# Allegro board Chronos.brd (continued)
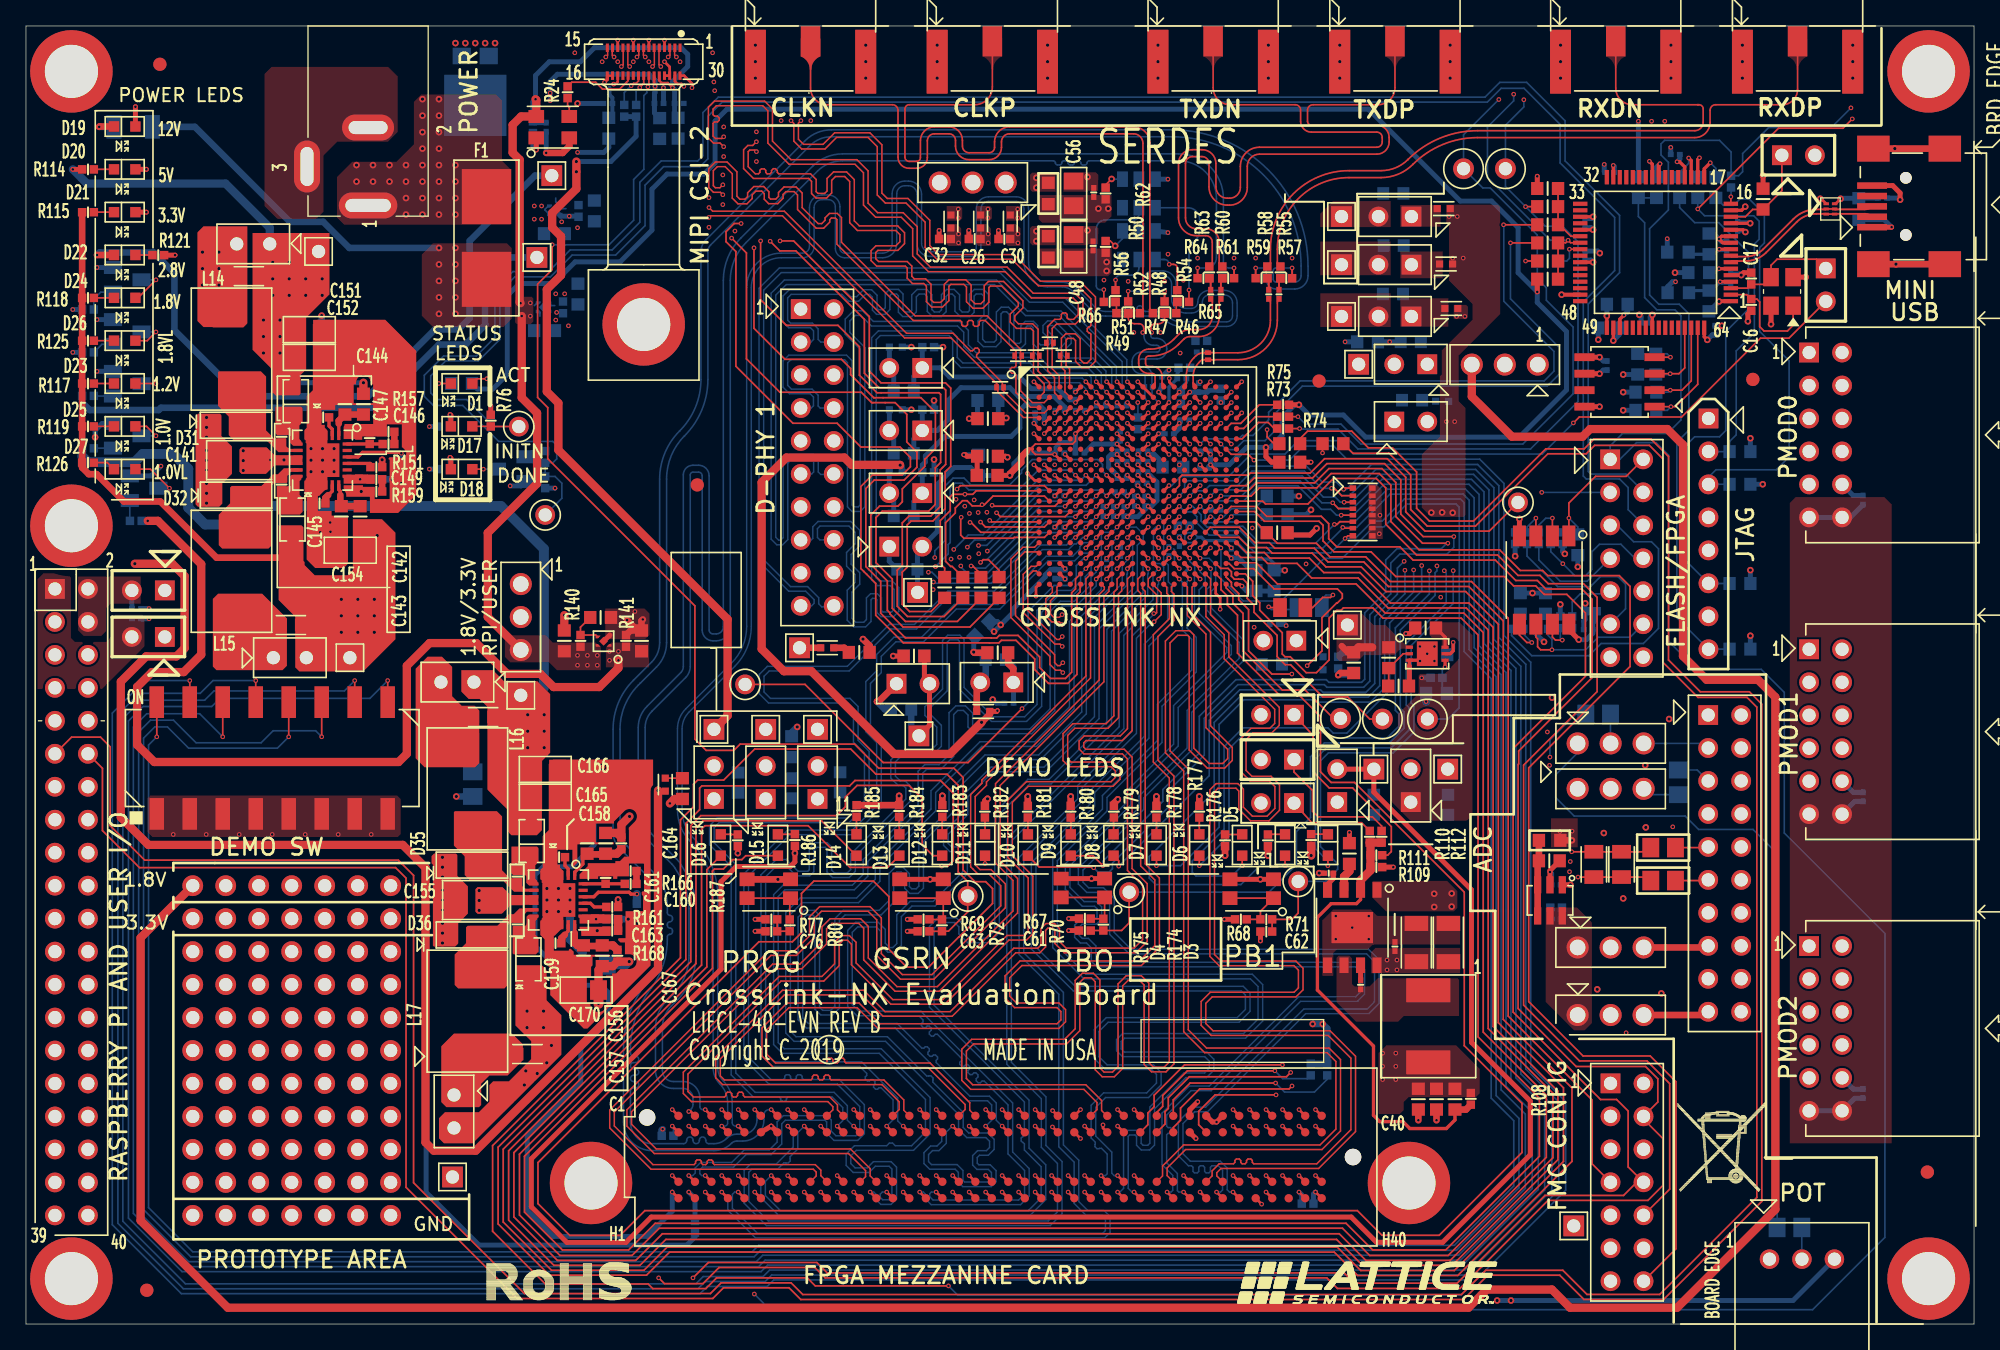
[diagram p0: board, top side]
## Placement (name value [footprint] x y rotation side) (continued)
NOREF  -  []  84.87 78.78 0 top
NOREF#2  -  [unnamed#2]  106.49 10.87 0 top
NOREF#3  -  []  76.68 74.6 0 top
NOREF#4  -  []  122.41 98.82 0 top
NOREF#5  -  []  91.11 81.47 0 top
NOREF#6  -  []  86.77 77.88 0 top
NOREF#7  -  []  91.22 79.67 90 top
NOREF#8  -  [unnamed#2]  3.5 96.5 0 top
NOREF#9  -  [unnamed#3]  10.31 97.05 0 top
NOREF#10  -  [unnamed#3]  9.3 2.6 0 top
NOREF#11  -  []  91.11 80.57 0 top
NOREF#12  -  []  91.41 98.82 0 top
NOREF#13  -  []  76.13 74.6 0 top
NOREF#14  -  [unnamed#3]  132.97 72.77 0 top
NOREF#15  -  [unnamed#3]  51.69 64.64 0 top
NOREF#16  -  []  95.69 79.67 90 top
NOREF#17  -  []  83.9 78.74 0 top
NOREF#18  -  []  150 0 90 top
NOREF#19  -  []  96.59 81.47 0 top
NOREF#20  -  []  91.22 78.97 90 top
NOREF#21  -  []  92.12 80.57 0 top
NOREF#22  -  [unnamed#3]  99.57 72.64 0 top
NOREF#23  -  []  45.17 98.32 0 top
NOREF#24  -  []  3.5 96.5 90 top
NOREF#25  -  []  79.63 74.6 0 top
NOREF#26  -  []  48.76 98.32 0 top
NOREF#27  -  []  146.5 3.5 90 top
NOREF#28  -  []  74.41 98.82 0 top
NOREF#29  -  []  87.67 78.78 0 top
NOREF#30  -  []  88.65 78.74 0 top
NOREF#31  -  []  136.41 98.82 0 top
NOREF#32  -  []  46.37 98.32 0 top
NOREF#33  -  []  45.97 98.32 0 top
NOREF#34  -  []  91.02 74.28 90 top
NOREF#35  -  []  94.69 80.57 0 top
NOREF#36  -  []  92.01 79.67 90 top
NOREF#37  -  []  96.59 80.57 0 top
NOREF#38  -  [unnamed#2]  3.5 61.5 0 top
NOREF#39  -  []  89.55 78.74 0 top
NOREF#40  -  []  83 78.74 0 top
NOREF#41  -  []  78.57 75.59 0 top
NOREF#42  -  []  95.59 80.57 0 top
NOREF#43  -  []  90.21 80.57 0 top
NOREF#44  -  []  60.41 98.82 0 top
NOREF#45  -  [unnamed#2]  146.5 96.5 0 top
NOREF#46  -  []  77.48 74.6 0 top
NOREF#47  -  []  88.57 77.88 0 top
NOREF#48  -  []  84.87 77.88 0 top
NOREF#49  -  []  48.37 98.32 0 top
NOREF#50  -  []  95.59 81.47 0 top
NOREF#51  -  []  83.97 77.88 0 top
NOREF#52  -  []  88.65 79.64 0 top
NOREF#53  -  []  79.12 75.59 0 top
NOREF#54  -  []  75.28 72.16 0 top
NOREF#55  -  []  78.03 74.6 0 top
NOREF#56  -  []  0 99.82 0 top
NOREF#57  -  []  96.48 78.97 90 top
NOREF#58  -  [unnamed#2]  3.5 3.5 0 top
NOREF#59  -  [unnamed#3]  146.41 11.71 0 top
NOREF#60  -  []  87.67 77.88 0 top
NOREF#61  -  []  96.48 79.67 90 top
NOREF#62  -  []  47.17 98.32 0 top
NOREF#63  -  []  47.57 98.32 0 top
NOREF#64  -  []  80.18 74.6 0 top
NOREF#65  -  []  0 0 90 top
NOREF#66  -  []  97.49 80.57 0 top
NOREF#67  -  []  92.01 78.97 90 top
NOREF#68  -  []  105.41 98.82 0 top
NOREF#69  -  []  93.02 80.57 0 top
NOREF#70  -  []  44.76 98.32 0 top
NOREF#71  -  []  85.77 77.88 0 top
NOREF#72  -  []  74.73 72.16 0 top
NOREF#73  -  []  49.97 98.32 0 top
NOREF#74  -  []  0 100 0 top
NOREF#75  -  []  91.02 74.83 90 top
NOREF#76  -  [unnamed#2]  43.51 10.87 0 top
NOREF#77  -  []  95.69 78.97 90 top
NOREF#78  -  []  49.57 98.32 0 top
NOREF#79  -  []  83.9 79.64 0 top
NOREF#80  -  [unnamed#2]  47.57 77.01 0 top
NOREF#81  -  [unnamed#2]  146.5 3.5 0 top
NOREF#82  -  []  92.12 81.47 0 top
NOREF#83  -  []  3.5 3.5 0 top
NOREF#84  -  []  3.5 3.5 0 top
NOREF#85  -  [unnamed#3]  9.3 2.6 180 bottom
NOREF#86  -  [unnamed#3]  146.41 11.71 180 bottom
NOREF#87  -  [unnamed#3]  10.31 97.05 180 bottom
NOREF#88  -  [unnamed#3]  132.97 72.77 180 bottom
Q1  2N2222/SOT23  [MMBT2222ALT-1]  37.36 65.86 270 bottom
Q2  2N2222/SOT23  [MMBT2222ALT-1]  7.8 72.44 90 bottom
Q3  2N2222/SOT23  [MMBT2222ALT-1]  7.8 68.43 90 bottom
Q4  2N2222/SOT23  [MMBT2222ALT-1]  7.8 80.44 90 bottom
Q5  2N2222/SOT23  [MMBT2222ALT-1]  7.8 76.43 90 bottom
Q6  2N2222/SOT23  [MMBT2222ALT-1]  9.09 64.39 90 bottom
R1  4.7K  [R0603]  131.98 57.05 180 bottom
R2  4.7K  [R0603]  131.98 64.69 180 bottom
R3  4.7K  [R0603]  131.98 67.21 180 bottom
R4  2.2K  [R0603]  131.98 51.99 0 bottom
R5  33  [R0402]  131.29 88.01 90 bottom
R6  0  [R0603]  130.12 87.55 270 bottom
R7  0  [R0603]  128.73 87.55 270 bottom
R8  0  [R0603]  127.33 87.55 270 bottom
R9  2.2K  [R0603]  133.76 86.66 90 top
R10  10K  [R0603]  124.74 70.39 0 bottom
R11  10K  [R0603]  124.74 71.79 0 bottom
R12  10K  [R0603]  124.1 73.95 90 bottom
R13  12K  [R0603]  128.8 81 0 bottom
R14  2K  [RLP-101]  33.54 72.46 270 bottom
R15  0  [R0603]  117.17 84.68 180 top
R16  12K  [R0603]  125.5 73.95 90 bottom
R17  0  [R0603]  117.17 83.29 180 top
R18  4.7K  [RLP-101]  117.17 80.49 270 top
R19  4.7K  [RLP-101]  117.17 87.48 270 top
R20  0  [R0603]  117.17 86.08 180 top
R21  0  [R0603]  117.17 81.89 180 top
R22  0  [R0603]  117.17 81.89 180 bottom
R23  100k  [R0402]  39.04 92.2 90 bottom
R24  22  [R0402]  41.71 94.89 90 top
R25  4.7k  [R0402]  46.07 93.47 90 bottom
R26  4.7k  [R0402]  46.98 93.47 90 bottom
R27  100 ohm  [R0201]  77.76 74.6 180 top
R28  100 ohm  [R0201]  76.4 74.6 180 top
R29  100 ohm  [R0201]  78.84 75.59 180 top
R30  100 ohm  [R0201]  75.01 72.16 180 top
R31  100 ohm  [R0201]  79.91 74.6 180 top
R32  0.1  [0603]  67.59 62.26 180 bottom
R33  0.1  [0603]  67.59 71.91 180 bottom
R34  0.1  [0603]  67.59 67.08 180 bottom
R35  0  [R0603]  72.14 56.74 90 top
R36  0  [R0603]  70.74 56.74 90 top
R37  0  [R0603]  97.31 67.82 0 top
R38  0  [R0603]  100.63 67.82 0 top
R39  0  [R0603]  74.93 56.74 270 top
R40  0  [R0603]  73.53 56.74 270 top
R41  100 ohm  [R0201]  91.02 74.56 270 top
R42  0.1  [0603]  105.31 83.08 180 bottom
R43  100 ohm  [R0201]  86.43 72.18 0 bottom
R44  0.1  [0603]  105.26 79.35 180 bottom
R45  1.15K  [R0402]  88.93 71.35 90 bottom
R46  0  [R0402]  88.12 77.88 0 top
R47  0  [R0402]  87.22 77.88 180 top
R48  0  [R0402]  87.67 78.33 90 top
R49  0  [R0402]  84.42 77.88 180 top
R50  10K  [RLP-100]  83.13 82.98 0 top
R51  0  [R0402]  85.32 77.88 0 top
R52  0  [R0402]  84.87 78.33 90 top
R53  0.1  [0603]  105.28 87.1 180 bottom
R54  0  [R0402]  88.65 79.19 270 top
R55  0  [R0402]  96.59 81.02 90 top
R56  0  [R0402]  83.9 79.19 270 top
R57  0  [R0402]  97.04 80.57 0 top
R58  0  [R0402]  95.59 81.02 90 top
R59  0  [R0402]  95.14 80.57 180 top
R60  0  [R0402]  92.12 81.02 90 top
R61  0  [R0402]  92.57 80.57 0 top
R62  10K  [RLP-100]  83.13 87.1 0 top
R63  0  [R0402]  91.11 81.02 90 top
R64  0  [R0402]  90.66 80.57 180 top
R65  0  [R0402]  89.1 78.74 180 top
R66  0  [R0402]  83.45 78.74 0 top
R67  10k  [R0402]  81.54 31.23 0 top
R68  10k  [R0402]  93.55 31.18 0 top
R69  10k  [R0402]  69.11 31.18 0 top
R70  100  [R0402]  82.96 30.77 90 top
R71  100  [R0402]  95.5 31.18 180 top
R72  100  [R0402]  70.53 30.71 270 top
R73  0  [R0402]  96.8 69.9 180 top
R74  0  [R0402]  96.8 68.99 180 top
R75  1k  [R0402]  96.8 70.82 0 top
R76  10k  [R0402]  35.79 69.6 270 top
R77  100  [R0402]  57.39 31.18 0 top
R78  33  [R0402]  85.62 69.39 270 bottom
R79  2.0k  [R0402]  32.21 69.14 180 bottom
R80  100  [R0402]  58.81 30.71 270 top
R81  2.0k  [R0402]  32.21 65.86 180 bottom
R82  10k  [R0402]  39.98 64.85 90 bottom
R83  10k  [R0402]  39.98 66.8 270 bottom
R84  4.7k  [R0402]  118.32 60.54 270 bottom
R85  4.7k  [R0402]  114.66 60.54 270 bottom
R86  1k  [R0402]  116.75 53.56 180 bottom
R87  4.7k  [R0402]  118.14 54.06 90 bottom
R88  0  [R0402]  117.41 60.54 90 bottom
R89  0  [R0402]  116.49 60.54 90 bottom
R90  0  [R0402]  119.06 54.06 270 bottom
R91  0  [R0402]  115.58 60.54 270 bottom
R92  0  [R0402]  114.84 53.56 0 bottom
R93  2.2k  [R0402]  117.82 32.08 180 bottom
R94  0.1  [0603]  95.94 50.83 180 bottom
R95  100  [R0805]  121.06 46.96 180 bottom
R96  1K  [R0805]  135.79 7.44 180 bottom
R97  100  [R0805]  127.25 41.73 90 bottom
R98  100  [R0805]  126.06 36.7 180 top
R99  100  [R0805]  126.06 34.16 180 top
R100  10k  [R0402]  49.4 14.5 180 bottom
R101  10k  [R0402]  51.52 7.49 270 bottom
R102  4.7K  [R0603]  96.34 60.96 180 top
R103  4.7K  [R0603]  96.34 60.96 180 bottom
R104  4.7K  [R0603]  96.34 63.78 180 bottom
R105  2.2K  [R0603]  96.34 62.36 0 bottom
R106  4.7k  [R0402]  100.2 19.61 90 bottom
R107  4.7k  [R0402]  98.93 19.61 90 bottom
R108  1.00k 1%  [R0402]  111.25 17.35 90 top
R109  1.02k 1%  [R0402]  103.98 35.2 180 top
R110  2.55k 1%  [R0402]  103.47 37.54 270 top
R111  750 1%  [R0402]  103.98 36.12 180 top
R112  422 1%  [R0402]  104.39 37.54 270 top
R113  15k  [RLP-103]  8.26 92.23 0 bottom
R114  4.7k  [R0402]  4.78 88.95 180 top
R115  2.0k  [R0402]  4.78 85.65 180 top
R116  1.0k  [R0402]  41.35 78.32 270 bottom
R117  2.0k  [R0402]  4.78 72.45 180 top
R118  2.0k  [R0402]  4.78 79.05 180 top
R119  2.0k  [R0402]  4.78 69.15 180 top
R120  2.0k  [R0402]  42.55 85.75 270 bottom
R121  1.5k  [R0402]  10.19 82.35 180 top
R122  2.2k  [R0402]  4.78 67.46 180 bottom
R123  2.2k  [R0402]  4.78 71.5 180 bottom
R124  4.7k  [R0402]  4.78 78.16 180 bottom
R125  2.0k  [R0402]  4.78 75.75 180 top
R126  2.0k  [R0402]  4.78 66.36 180 top
R127  0.1  [0603]  106.63 75.67 180 bottom
R128  0.1  [0603]  109.5 40.01 90 bottom
R129  0.1  [0603]  103.78 40.01 90 bottom
R130  0.1  [0603]  67.39 47.35 0 bottom
R131  0.1  [0603]  67.87 58.14 0 bottom
R132  4.7k  [R0402]  4.78 74.85 180 bottom
R133  2.2k  [R0402]  8.46 61.87 0 bottom
R134  0.1  [0603]  62.69 41.73 90 bottom
R135  0.1  [0603]  58.93 41.27 90 bottom
R136  0.1  [0603]  54.84 41.71 90 bottom
R137  0.1  [0603]  106.73 71.17 0 bottom
R138  0.1  [0603]  74.68 51.18 180 bottom
R140  10k  [R0402]  42.7 52.63 270 top
R141  1k  [R0402]  46.2 52.63 90 top
R142  10k  [R0402]  108.61 49.78 180 bottom
R143  1.15K-0603SMT  [RLP-101]  104.93 51.33 180 top
R144  1k  [R0402]  101.04 50.95 270 bottom
R145  0  [R0603]  44.25 54.43 0 top
R146  0  [R0603]  108.61 48.59 180 bottom
R147  0  [R0603]  108.64 51.56 180 bottom
R148  909-0603SMT  [RLP-101]  105.69 49.15 270 top
R149  0  [R0603]  64.16 51.74 0 top
R150  0  [R0603]  50.55 41.25 270 top
R151  51K-0402SMT  [RLP-100]  26.97 66.01 270 top
R152  0.1  [0603]  17.17 80.72 180 top
R153  0.1  [0603]  20.4 53.85 0 top
R154  1.05K-0603SMT  [RLP-101]  25.98 70.87 0 top
R155  1.07K-0603SMT  [RLP-101]  25.73 62.2 180 top
R156  200 -0603SMT  [RLP-101]  24.56 70.87 180 top
R157  51K-0402SMT  [RLP-100]  27.91 68.73 270 top
R158  34K-0402SMT  [RLP-100]  28.91 65.76 180 bottom
R159  51K-0402SMT  [RLP-100]  26.97 64.14 270 top
R160  340-0603SMT  [RLP-101]  24.28 62.2 0 top
R161  51K-0402SMT  [RLP-100]  45.14 32.13 270 top
R162  0.1  [0603]  35.2 46.76 180 top
R163  0.1  [0603]  38.61 20.8 0 top
R164  200-0603SMT  [RLP-101]  44.63 37.03 0 top
R165  1.15K-0603SMT  [RLP-101]  44.37 28.37 180 top
R166  30_1K-0402SMT  [RLP-100]  46.56 34.9 270 top
R167  63_4K-0402SMT  [RLP-100]  47.04 31.93 180 bottom
R168  20K-0402SMT  [RLP-100]  45.14 30.3 270 top
R169  768-0603SMT  [RLP-101]  43.21 37.03 180 top
R170  909-0603SMT  [RLP-101]  42.93 28.37 0 top
R171  1.0k  [R0402]  98.69 9.28 0 bottom
R172  10K  [R0603]  124.16 87.55 270 bottom
R173  1.0 K  [R0603]  125.55 87.55 270 bottom
R174  2K  [R0402]  98.96 37.29 270 top
R175  2K  [R0402]  95.63 37.26 270 top
R176  2K  [R0402]  92.33 37.26 270 top
R177  2K  [R0402]  90.35 39.47 90 top
R178  2K  [R0402]  87.05 39.47 90 top
R179  2K  [R0402]  83.77 39.47 90 top
R180  2K  [R0402]  80.44 39.47 90 top
R181  2K  [R0402]  77.14 39.47 90 top
R182  2K  [R0402]  73.84 39.47 90 top
R183  2K  [R0402]  70.56 39.52 90 top
R184  2K  [R0402]  67.23 39.52 90 top
R185  2K  [R0402]  63.96 39.52 90 top
R186  2K  [R0402]  59.21 37.29 270 top
R187  2K  [R0402]  54.81 37.26 270 top
RN1  EXB2HV472JV  [EXB-2HV]  102.92 62.56 0 top
SW1  SMD SW DIP-8  [219-8MST]  18.96 43.6 90 top
SW2  PB0  [4PSMD_SWITCH]  81.38 33.59 180 top
SW3  PB1  [4PSMD_SWITCH]  94.38 33.53 180 top
SW4  GSRN  [4PSMD_SWITCH]  68.96 33.53 180 top
SW5  PROGRAMN  [4PSMD_SWITCH]  57.2 33.53 180 top
TP1  TP_S_40_63  [TP]  113.92 89 0 top
TP2  TP_S_40_63  [TP]  110.69 89 0 top
TP3  TP_S_40_63  [TP]  107.91 46.61 0 top
TP4  TP_S_40_63  [TP]  104.44 46.61 0 top
TP5  TP_S_40_63  [TP]  101.22 46.66 0 top
TP6  TestPoint  [TP50]  84.94 33.27 0 top
TP7  TestPoint  [TP50]  72.51 32.98 0 top
TP8  TestPoint  [TP50]  97.96 34.1 0 top
TP9  TestPoint  [TP50]  114.88 63.3 0 top
TP10  TestPoint  [TP50]  37.95 69.14 270 top
TP12  TestPoint  [TP50]  39.98 62.33 270 top
TP13  TestPoint  [TP50]  55.37 49.28 0 top
TP_V1P0_LDO  -  [TP_S_40_63]  59.56 52.1 0 top
TP_V1P0_VCCSD  -  [TP_S_40_63]  101.3 77.62 0 top
TP_V1P2  -  [TP_S_40_63]  39.34 82.17 90 top
TP_V1P8  -  [TP_S_40_63]  32.84 11.33 0 top
TP_V1P8_LDO  -  [TP_S_40_63]  101.75 53.85 270 top
TP_V1P8_VCCAUXSD  -  [TP_S_40_63]  101.3 85.32 0 top
TP_V1P8_VCCPLLSD  -  [TP_S_40_63]  101.3 81.61 0 top
TP_V2P8  -  [TP_S_40_63]  40.49 88.47 90 top
TP_V3P3  -  [TP_S_40_63]  24.94 51.33 0 top
TP_V5P0  -  [TP_S_40_63]  22.53 82.63 0 top
TP_VADJ  -  [TP_S_40_63]  119.18 7.56 0 top
TP_VCC_CORE_V1P0  -  [TP_S_40_63]  38.1 48.44 0 top
TP_VCCIO0  -  [TP_S_40_63]  102.62 73.94 180 top
TP_VCCIO1  -  [TP_S_40_63]  109.47 42.75 0 top
TP_VCCIO2  -  [TP_S_40_63]  103.78 42.75 0 top
TP_VCCIO3  -  [TP_S_40_63]  60.95 45.81 0 top
TP_VCCIO4  -  [TP_S_40_63]  56.96 45.81 0 top
TP_VCCIO5  -  [TP_S_40_63]  52.97 45.81 0 top
TP_VCCIO6  -  [TP_S_40_63]  68.76 45.31 270 top
TP_VCCIO7  -  [TP_S_40_63]  68.66 56.36 270 top
U1  FT2232HL  [TQFP64_0P5_12P2X12P2_H1P6]  125.48 82.55 180 top
U2  93LC56C-I/SN  [SO8_50_244]  122.7 72.58 180 top
U3  -  [LIFCL-40-BG400]  85.61 64.59 0 top
U4  AK5DAF1-125.0000T2  [XTAL_AK5DAF1]  85.7 83.11 0 bottom
U5  AK5DAF1-200.0000T2  [XTAL_AK5DAF1]  85.7 87.1 0 bottom
U6  MX25L12833FM2I-10G  [SO8_MX25L12833FM2I10G]  116.9 57.31 270 top
U7  MAX6070BAUT18+T  [SOT23-6_MAX6070]  117.35 32.64 270 top
U8  PTD901-1015K-B103  [PTD901_1015K_B103]  136.75 5 270 top
U9  ASP-134603-01  [ASP_134603_01]  75.01 12.87 180 top
U10  BD9D321EFJ  [HTSOP_8_BD9D321]  102.13 30.54 270 top
U11  NCP110AMX120TBG  [4XDFN_NCP110]  39.85 78.33 90 bottom
U12  NCP110AMX280TBG  [4XDFN_NCP110]  40.72 85.8 90 bottom
U13  BD00IC0WHFV-GTR  [6HVSOF_BD00IC0WHFV]  107.9 51.64 0 top
U14  TLV73310PDQNT  [4X2SON]  44.48 52.6 180 top
U15  -  [LT3508EUF]  22.83 66.55 270 top
U16  -  [LT3508EUF]  41 32.66 270 top
X1  7M-12.000MAAJ  [XTAL_4P_7M]  135.22 79.55 90 top
X2  ASE3-27.000MHz-K-T  [27MHZ]  40.56 92.2 90 top

## Library data of the parts
AA1-AA11 AB1-AB11 AC1-AC11 AD1-AD11 AE1-AE11 AF1-AF11 AG1-AG11 = T POINT R_0
C1-C4 C7-C9 C11-C13 C15-C20 C24 C25 C27 C29 C31 C33 C35 C37 C38 C40-C42 C59 C60 C65 C66 C70 C71 C75 C78 C83 C84 C87-C90 C92 C93 C95 C96 C99 C100 C105-C107 = 0u1_0402
C5 C6 C10 C14 = C
C21-C23 C26 C28 C30 C32 C34 C36 C39 C58 C64 C68 C69 C74 C91 C94 C97 C98 C101-C104 C108 = 10uF_0603
C43-C47 C49-C55 C57 C85 C86 = CAP_CER_100nF_0402_10V
C48 C56 C118-C120 C130-C132 = CAP_SMT_0805
C61-C63 C76 C77 C113-C117 C124 C126-C129 = CAP_1
C67 C72 C73 = C0402C104K4RACTU
C79-C81 C109-C112 C121-C123 C125 C133-C140 = CAP NP
C82 = 4u7_0603
C141-C170 = CAP-NP
CN1 = camconn_imx258_0
D1 D3-D16 D18-D27 = LED-SMT1206_GREEN_1
D2 = ESDR0502
D17 = LED-SMT1206_RED_0
D28 = DIODE SCHOTTKY21
D29 D30 D33 D34 = DIODE_0
D31 D32 D35 D36 = D-SCHOTTKY_0
F1 = SMTFUSE_0
FB1-FB4 FB7 FB8 = INDUCTOR_1
FB5 FB6 L13 = INDUCTOR_0
J1 = header1x8_100
J2 = USB_MINI_B_0
J3-J5 J7-J9 J23 J28-J32 J34-J38 J40-J43 = Header_2x1
J6 J26 = Header_2x10
J10-J12 J14-J16 = RCA JACK_0
J13 J21 J22 J24 J25 J33 J44 = CON3
J17-J19 = SKT2x6_PPPC062LFBN-RC
J20 J27 = Header_2x7
J39 = 22HP037A
JP1-JP4 JP6-JP8 = JUMPER_0
JP5 = Receptacle 20X2
L1-L12 = FB0603
L14-L17 = IND
Q1-Q6 = 2N2222
R1-R4 R9 R25 R26 R102-R105 R172 = 5k1_0402
R5-R8 R15 R17 R20-R22 R24 R35-R40 R47 R48 R51 R52 R57 R59 R61 R64 R70-R72 R80 R145-R147 R149 R150 R173 = 0R_0603
R10-R12 R46 R49 R54-R56 R58 R60 R63 R65 R66 = RES_10K_1W16_0402_5P
R13 R16 = 10k_0402
R14 R67-R69 R79 R81 R83 R113-R115 R117-R119 R121-R126 R132 R133 R174-R187 = RES_0
R18 R19 R45 = RESISTOR
R23 R27-R31 R41 R43 R75 = RES_100K_1W16_0402_5P
R32-R34 R42 R44 R50 R53 R62 R73 R74 R76-R78 R82 R84-R92 R94-R101 R106-R112 R127-R131 R134-R138 R140 R142 R143 R148 R151-R171 = R
R93 R116 R120 R141 R144 = RES_1K_1W16_0402_5P
RN1 = EXB2HV472JV
SW1 = SW DIP-8
SW2-SW5 = SW PUSHBUTTON-SPST/SM
TP1-TP5 TP_V1P0_LDO TP_V1P0_VCCSD TP_V1P2 TP_V1P8 TP_V1P8_LDO TP_V1P8_VCCAUXSD TP_V1P8_VCCPLLSD TP_V2P8 TP_V3P3 TP_V5P0 TP_VADJ TP_VCC_CORE_V1P0 TP_VCCIO0-TP_VCCIO7 = TP_S_40_63
TP6-TP10 TP12 TP13 = T POINT R
U1 = FT2232HL
U2 = 93LC56_SO8_0
U3 = LIFCL-40-BG400
U4 = AK5DAF1-125.0000T2
U5 = AK5DAF1-200.0000T2
U6 = N25QxxxA13xF8_0
U7 = MAX6070BAUT18+T_0
U8 = PTD901-1015K-B103-ND
U9 = ASP-134603-01
U10 = BD9D321EFJ
U11 = NCP110AMX120TBG
U12 = NCP110AMX280TBG
U13 = BD00IC0WHFV-GTR
U14 = TLV73310PDQNT
U15 U16 = LT3508EUF-QFN24UF-4X4_0
X1 = crystal-3p2x2p5
X2 = OSC_25MHz_10PPM

## Footprints (pads in the part's own frame, mm; a bottom-side part is the same pattern mirrored in y, then rotated)
1N4448W
  rect 0.5x1.3 smd: 1(0,1.2) 2(0,-1.2)
4PSMD_SWITCH
  rect 1.15x1.05 smd: 1(-1.675,0.725) 2(-1.675,-0.725) 3(1.675,0.725) 4(1.675,-0.725)
4X2SON
  custom 0.36x0.21 smd: 1(-0.43,0.325) 2(-0.43,-0.325) 3(0.43,-0.325) 4(0.43,0.325)
  rect 0.48x0.48 smd rot 45: 5(0,0)
4XDFN_NCP110
  custom 0.26x0.39 smd: 1(0.325,0.405) 2(-0.325,0.405) 3(-0.325,-0.405) 4(0.325,-0.405)
  rect 0.52x0.52 smd rot 45: 5(0,0)
6HVSOF_BD00IC0WHFV
  rect 0.55x0.25 smd: 1(-1.375,0.5) 2(-1.375,0) 3(-1.375,-0.5) 4(1.375,-0.5) 5(1.375,0) 6(1.375,0.5)
  rect 1.6x1.9 smd: 7(0,0)
27MHZ
  rect 1x1.2 smd: 1(-0.825,1.27) 2(-0.825,-1.27) 3(0.825,-1.27) 4(0.825,1.27)
219-8MST
  rect 2.438x1.118 smd: 1(-4.305,8.89) 2(-4.305,6.35) 3(-4.305,3.81) 4(-4.305,1.27) 5(-4.305,-1.27) 6(-4.305,-3.81) 7(-4.305,-6.35) 8(-4.305,-8.89) 9(4.305,-8.89) 10(4.305,-6.35) 11(4.305,-3.81) 12(4.305,-1.27) 13(4.305,1.27) 14(4.305,3.81) 15(4.305,6.35) 16(4.305,8.89)
0603
  rect 0.92x0.97 smd: 1(-0.775,0) 2(0.775,0)
901-10309
  rect 1.5x2.35 smd: 1(0,1.175)
  rect 1.6x4.9 smd: 2(-4.25,2.75) 3(4.25,2.75) 4(-4.25,2.75) 5(4.25,2.75)
0154010
  rect 3.81x4.24 smd: 1(0,3.19) 2(0,-3.19)
APT1608
  rect 0.8x0.8 smd: 1(0,-0.826) 2(0,0.826)
ASP_134603_01
  round 1.27 hole 1.27 unplated: (-27.178,0) (27.178,-3.048)
  round 0.635 smd: C1(24.765,-3.175) C2(23.495,-3.175) C3(22.225,-3.175) C4(20.955,-3.175) C5(19.685,-3.175) C6(18.415,-3.175) C7(17.145,-3.175) C8(15.875,-3.175) C9(14.605,-3.175) C10(13.335,-3.175) C11(12.065,-3.175) C12(10.795,-3.175) C13(9.525,-3.175) C14(8.255,-3.175) C15(6.985,-3.175) C16(5.715,-3.175) C17(4.445,-3.175) C18(3.175,-3.175) C19(1.905,-3.175) C20(0.635,-3.175) C21(-0.635,-3.175) C22(-1.905,-3.175) C23(-3.175,-3.175) C24(-4.445,-3.175) C25(-5.715,-3.175) C26(-6.985,-3.175) C27(-8.255,-3.175) C28(-9.525,-3.175) C29(-10.795,-3.175) C30(-12.065,-3.175) C31(-13.335,-3.175) C32(-14.605,-3.175) C33(-15.875,-3.175) C34(-17.145,-3.175) C35(-18.415,-3.175) C36(-19.685,-3.175) C37(-20.955,-3.175) C38(-22.225,-3.175) C39(-23.495,-3.175) C40(-24.765,-3.175) D1(24.765,-1.905) D2(23.495,-1.905) D3(22.225,-1.905) D4(20.955,-1.905) D5(19.685,-1.905) D6(18.415,-1.905) D7(17.145,-1.905) D8(15.875,-1.905) D9(14.605,-1.905) D10(13.335,-1.905) D11(12.065,-1.905) D12(10.795,-1.905) D13(9.525,-1.905) D14(8.255,-1.905) D15(6.985,-1.905) D16(5.715,-1.905) D17(4.445,-1.905) D18(3.175,-1.905) D19(1.905,-1.905) D20(0.635,-1.905) D21(-0.635,-1.905) D22(-1.905,-1.905) D23(-3.175,-1.905) D24(-4.445,-1.905) D25(-5.715,-1.905) D26(-6.985,-1.905) D27(-8.255,-1.905) D28(-9.525,-1.905) D29(-10.795,-1.905) D30(-12.065,-1.905) D31(-13.335,-1.905) D32(-14.605,-1.905) D33(-15.875,-1.905) D34(-17.145,-1.905) D35(-18.415,-1.905) D36(-19.685,-1.905) D37(-20.955,-1.905) D38(-22.225,-1.905) D39(-23.495,-1.905) D40(-24.765,-1.905) G1(24.765,1.905) G2(23.495,1.905) G3(22.225,1.905) G4(20.955,1.905) G5(19.685,1.905) G6(18.415,1.905) G7(17.145,1.905) G8(15.875,1.905) G9(14.605,1.905) G10(13.335,1.905) G11(12.065,1.905) G12(10.795,1.905) G13(9.525,1.905) G14(8.255,1.905) G15(6.985,1.905) G16(5.715,1.905) G17(4.445,1.905) G18(3.175,1.905) G19(1.905,1.905) G20(0.635,1.905) G21(-0.635,1.905) G22(-1.905,1.905) G23(-3.175,1.905) G24(-4.445,1.905) G25(-5.715,1.905) G26(-6.985,1.905) G27(-8.255,1.905) G28(-9.525,1.905) G29(-10.795,1.905) G30(-12.065,1.905) G31(-13.335,1.905) G32(-14.605,1.905) G33(-15.875,1.905) G34(-17.145,1.905) G35(-18.415,1.905) G36(-19.685,1.905) G37(-20.955,1.905) G38(-22.225,1.905) G39(-23.495,1.905) G40(-24.765,1.905) H1(24.765,3.175) H2(23.495,3.175) H3(22.225,3.175) H4(20.955,3.175) H5(19.685,3.175) H6(18.415,3.175) H7(17.145,3.175) H8(15.875,3.175) H9(14.605,3.175) H10(13.335,3.175) H11(12.065,3.175) H12(10.795,3.175) H13(9.525,3.175) H14(8.255,3.175) H15(6.985,3.175) H16(5.715,3.175) H17(4.445,3.175) H18(3.175,3.175) H19(1.905,3.175) H20(0.635,3.175) H21(-0.635,3.175) H22(-1.905,3.175) H23(-3.175,3.175) H24(-4.445,3.175) H25(-5.715,3.175) H26(-6.985,3.175) H27(-8.255,3.175) H28(-9.525,3.175) H29(-10.795,3.175) H30(-12.065,3.175) H31(-13.335,3.175) H32(-14.605,3.175) H33(-15.875,3.175) H34(-17.145,3.175) H35(-18.415,3.175) H36(-19.685,3.175) H37(-20.955,3.175) H38(-22.225,3.175) H39(-23.495,3.175) H40(-24.765,3.175)
C0201
  rect 0.45x0.4 smd: 1(-0.35,0) 2(0.35,0)
C0402
  rect 0.65x0.65 smd: 1(-0.45,0) 2(0.45,0)
C0603
  rect 0.95x1 smd: 1(-0.8,0) 2(0.8,0)
C0805
  rect 1.05x1.45 smd: 1(-0.975,0) 2(0.975,0)
C1206
  rect 1.16x1.82 smd: 1(-1.475,0) 2(1.475,0)
CAMCONN
  rect 0.23x0.65 smd: 1(-2.8,-1.075) 2(-2.4,-1.075) 3(-2,-1.075) 4(-1.6,-1.075) 5(-1.2,-1.075) 6(-0.8,-1.075) 7(-0.4,-1.075) 8(0,-1.075) 9(0.4,-1.075) 10(0.8,-1.075) 11(1.2,-1.075) 12(1.6,-1.075) 13(2,-1.075) 14(2.4,-1.075) 15(2.8,-1.075) 16(2.8,1.075) 17(2.4,1.075) 18(2,1.075) 19(1.6,1.075) 20(1.2,1.075) 21(0.8,1.075) 22(0.4,1.075) 23(0,1.075) 24(-0.4,1.075) 25(-0.8,1.075) 26(-1.2,1.075) 27(-1.6,1.075) 28(-2,1.075) 29(-2.4,1.075) 30(-2.8,1.075)
CON3
  round 1.7 hole 1.2: 1(-2.54,0) 2(0,0) 3(2.54,0)
DFLS220L
  rect 1.4x2.2 smd: 1(0,1.199)
  rect 1.4x0.9 smd: 2(0,-1.351)
EXB-2HV
  rect 0.5x0.425 smd: 1(-0.75,1.837) 8(-0.75,-1.837) 9(0.75,-1.837) 16(0.75,1.837)
  rect 0.5x0.35 smd: 2(-0.75,1.25) 3(-0.75,0.75) 4(-0.75,0.25) 5(-0.75,-0.25) 6(-0.75,-0.75) 7(-0.75,-1.25) 10(0.75,-1.25) 11(0.75,-0.75) 12(0.75,-0.25) 13(0.75,0.25) 14(0.75,0.75) 15(0.75,1.25)
FB0402
  rect 0.55x0.55 smd: 1(-0.5,0) 2(0.5,0)
FB0603
  rect 0.95x1 smd: 1(-0.825,0) 2(0.825,0)
HDR254-2X20_SOCKET
  rect 1.524x1.524 hole 1.016: 1(-24.13,1.27)
  round 1.524 hole 1.016: 2(-24.13,-1.27) 3(-21.59,1.27) 4(-21.59,-1.27) 5(-19.05,1.27) 6(-19.05,-1.27) 7(-16.51,1.27) 8(-16.51,-1.27) 9(-13.97,1.27) 10(-13.97,-1.27) 11(-11.43,1.27) 12(-11.43,-1.27) 13(-8.89,1.27) 14(-8.89,-1.27) 15(-6.35,1.27) 16(-6.35,-1.27) 17(-3.81,1.27) 18(-3.81,-1.27) 19(-1.27,1.27) 20(-1.27,-1.27) 21(1.27,1.27) 22(1.27,-1.27) 23(3.81,1.27) 24(3.81,-1.27) 25(6.35,1.27) 26(6.35,-1.27) 27(8.89,1.27) 28(8.89,-1.27) 29(11.43,1.27) 30(11.43,-1.27) 31(13.97,1.27) 32(13.97,-1.27) 33(16.51,1.27) 34(16.51,-1.27) 35(19.05,1.27) 36(19.05,-1.27) 37(21.59,1.27) 38(21.59,-1.27) 39(24.13,1.27) 40(24.13,-1.27)
HDR_AMP_87220_8_1X8_100
  rect 1.524x1.524 hole 1.016: 1(0,0)
  round 1.524 hole 1.016: 2(2.54,0) 3(5.08,0) 4(7.62,0) 5(10.16,0) 6(12.7,0) 7(15.24,0) 8(17.78,0)
HEADER_1X2
  rect 1.524x1.524 hole 1.016: 1(0,0)
  round 1.524 hole 1.016: 2(2.54,0)
HEADER_2X1
  rect 1.524x1.524 hole 1.016: 1(-1.27,0)
  round 1.524 hole 1.016: 2(1.27,0)
HEADER_2X7
  rect 1.524x1.524 hole 1.016: 1(-7.62,-1.27)
  round 1.524 hole 1.016: 2(-7.62,1.27) 3(-5.08,-1.27) 4(-5.08,1.27) 5(-2.54,-1.27) 6(-2.54,1.27) 7(0,-1.27) 8(0,1.27) 9(2.54,-1.27) 10(2.54,1.27) 11(5.08,-1.27) 12(5.08,1.27) 13(7.62,-1.27) 14(7.62,1.27)
HEADER_2X10
  rect 1.524x1.524 hole 1.016: 1(-11.43,-1.27)
  round 1.524 hole 1.016: 2(-11.43,1.27) 3(-8.89,-1.27) 4(-8.89,1.27) 5(-6.35,-1.27) 6(-6.35,1.27) 7(-3.81,-1.27) 8(-3.81,1.27) 9(-1.27,-1.27) 10(-1.27,1.27) 11(1.27,-1.27) 12(1.27,1.27) 13(3.81,-1.27) 14(3.81,1.27) 15(6.35,-1.27) 16(6.35,1.27) 17(8.89,-1.27) 18(8.89,1.27) 19(11.43,-1.27) 20(11.43,1.27)
HTSOP_8_BD9D321
  rect 1.2x0.7 smd: 1(-2.9,1.905) 2(-2.9,0.635) 3(-2.9,-0.635) 4(-2.9,-1.905) 5(2.9,-1.905) 6(2.9,-0.635) 7(2.9,0.635) 8(2.9,1.905)
  rect 2.4x3.2 smd: 9(0,0)
LIFCL-40-BG400
  round 0.4 smd: A1(-7.6,7.6) A2(-6.8,7.6) A3(-6,7.6) A4(-5.2,7.6) A5(-4.4,7.6) A6(-3.6,7.6) A7(-2.8,7.6) A8(-2,7.6) A9(-1.2,7.6) A10(-0.4,7.6) A11(0.4,7.6) A12(1.2,7.6) A13(2,7.6) A14(2.8,7.6) A15(3.6,7.6) A16(4.4,7.6) A17(5.2,7.6) A18(6,7.6) A19(6.8,7.6) A20(7.6,7.6) B1(-7.6,6.8) B2(-6.8,6.8) B3(-6,6.8) B4(-5.2,6.8) B5(-4.4,6.8) B6(-3.6,6.8) B7(-2.8,6.8) B8(-2,6.8) B9(-1.2,6.8) B10(-0.4,6.8) B11(0.4,6.8) B12(1.2,6.8) B13(2,6.8) B14(2.8,6.8) B15(3.6,6.8) B16(4.4,6.8) B17(5.2,6.8) B18(6,6.8) B19(6.8,6.8) B20(7.6,6.8) C1(-7.6,6) C2(-6.8,6) C3(-6,6) C4(-5.2,6) C5(-4.4,6) C6(-3.6,6) C7(-2.8,6) C8(-2,6) C9(-1.2,6) C10(-0.4,6) C11(0.4,6) C12(1.2,6) C13(2,6) C14(2.8,6) C15(3.6,6) C16(4.4,6) C17(5.2,6) C18(6,6) C19(6.8,6) C20(7.6,6) D1(-7.6,5.2) D2(-6.8,5.2) D3(-6,5.2) D4(-5.2,5.2) D5(-4.4,5.2) D6(-3.6,5.2) D7(-2.8,5.2) D8(-2,5.2) D9(-1.2,5.2) D10(-0.4,5.2) D11(0.4,5.2) D12(1.2,5.2) D13(2,5.2) D14(2.8,5.2) D15(3.6,5.2) D16(4.4,5.2) D17(5.2,5.2) D18(6,5.2) D19(6.8,5.2) D20(7.6,5.2) E1(-7.6,4.4) E2(-6.8,4.4) E3(-6,4.4) E4(-5.2,4.4) E5(-4.4,4.4) E6(-3.6,4.4) E7(-2.8,4.4) E8(-2,4.4) E9(-1.2,4.4) E10(-0.4,4.4) E11(0.4,4.4) E12(1.2,4.4) E13(2,4.4) E14(2.8,4.4) E15(3.6,4.4) E16(4.4,4.4) E17(5.2,4.4) E18(6,4.4) E19(6.8,4.4) E20(7.6,4.4) F1(-7.6,3.6) F2(-6.8,3.6) F3(-6,3.6) F4(-5.2,3.6) F5(-4.4,3.6) F6(-3.6,3.6) F7(-2.8,3.6) F8(-2,3.6) F9(-1.2,3.6) F10(-0.4,3.6) F11(0.4,3.6) F12(1.2,3.6) F13(2,3.6) F14(2.8,3.6) F15(3.6,3.6) F16(4.4,3.6) F17(5.2,3.6) F18(6,3.6) F19(6.8,3.6) F20(7.6,3.6) G1(-7.6,2.8) G2(-6.8,2.8) G3(-6,2.8) G4(-5.2,2.8) G5(-4.4,2.8) G6(-3.6,2.8) G7(-2.8,2.8) G8(-2,2.8) G9(-1.2,2.8) G10(-0.4,2.8) G11(0.4,2.8) G12(1.2,2.8) G13(2,2.8) G14(2.8,2.8) G15(3.6,2.8) G16(4.4,2.8) G17(5.2,2.8) G18(6,2.8) G19(6.8,2.8) G20(7.6,2.8) H1(-7.6,2) H2(-6.8,2) H3(-6,2) H4(-5.2,2) H5(-4.4,2) H6(-3.6,2) H7(-2.8,2) H8(-2,2) H9(-1.2,2) H10(-0.4,2) H11(0.4,2) H12(1.2,2) H13(2,2) H14(2.8,2) H15(3.6,2) H16(4.4,2) H17(5.2,2) H18(6,2) H19(6.8,2) H20(7.6,2) J1(-7.6,1.2) J2(-6.8,1.2) J3(-6,1.2) J4(-5.2,1.2) J5(-4.4,1.2) J6(-3.6,1.2) J7(-2.8,1.2) J8(-2,1.2) J9(-1.2,1.2) J10(-0.4,1.2) J11(0.4,1.2) J12(1.2,1.2) J13(2,1.2) J14(2.8,1.2) J15(3.6,1.2) J16(4.4,1.2) J17(5.2,1.2) J18(6,1.2) J19(6.8,1.2) J20(7.6,1.2) K1(-7.6,0.4) K2(-6.8,0.4) K3(-6,0.4) K4(-5.2,0.4) K5(-4.4,0.4) K6(-3.6,0.4) K7(-2.8,0.4) K8(-2,0.4) K9(-1.2,0.4) K10(-0.4,0.4) K11(0.4,0.4) K12(1.2,0.4) K13(2,0.4) K14(2.8,0.4) K15(3.6,0.4) K16(4.4,0.4) K17(5.2,0.4) K18(6,0.4) K19(6.8,0.4) K20(7.6,0.4) L1(-7.6,-0.4) L2(-6.8,-0.4) L3(-6,-0.4) L4(-5.2,-0.4) L5(-4.4,-0.4) L6(-3.6,-0.4) L7(-2.8,-0.4) L8(-2,-0.4) L9(-1.2,-0.4) L10(-0.4,-0.4) L11(0.4,-0.4) L12(1.2,-0.4) L13(2,-0.4) L14(2.8,-0.4) L15(3.6,-0.4) L16(4.4,-0.4) L17(5.2,-0.4) L18(6,-0.4) L19(6.8,-0.4) L20(7.6,-0.4) M1(-7.6,-1.2) M2(-6.8,-1.2) M3(-6,-1.2) M4(-5.2,-1.2) M5(-4.4,-1.2) M6(-3.6,-1.2) M7(-2.8,-1.2) M8(-2,-1.2) M9(-1.2,-1.2) M10(-0.4,-1.2) M11(0.4,-1.2) M12(1.2,-1.2) M13(2,-1.2) M14(2.8,-1.2) M15(3.6,-1.2) M16(4.4,-1.2) M17(5.2,-1.2) M18(6,-1.2) M19(6.8,-1.2) M20(7.6,-1.2) N1(-7.6,-2) N2(-6.8,-2) N3(-6,-2) N4(-5.2,-2) N5(-4.4,-2) N6(-3.6,-2) N7(-2.8,-2) N8(-2,-2) N9(-1.2,-2) N10(-0.4,-2) N11(0.4,-2) N12(1.2,-2) N13(2,-2) N14(2.8,-2) N15(3.6,-2) N16(4.4,-2) N17(5.2,-2) N18(6,-2) N19(6.8,-2) N20(7.6,-2) P1(-7.6,-2.8) P2(-6.8,-2.8) P3(-6,-2.8) P4(-5.2,-2.8) P5(-4.4,-2.8) P6(-3.6,-2.8) P7(-2.8,-2.8) P8(-2,-2.8) P9(-1.2,-2.8) P10(-0.4,-2.8) P11(0.4,-2.8) P12(1.2,-2.8) P13(2,-2.8) P14(2.8,-2.8) P15(3.6,-2.8) P16(4.4,-2.8) P17(5.2,-2.8) P18(6,-2.8) P19(6.8,-2.8) P20(7.6,-2.8) R1(-7.6,-3.6) R2(-6.8,-3.6) R3(-6,-3.6) R4(-5.2,-3.6) R5(-4.4,-3.6) R6(-3.6,-3.6) R7(-2.8,-3.6) R8(-2,-3.6) R9(-1.2,-3.6) R10(-0.4,-3.6) R11(0.4,-3.6) R12(1.2,-3.6) R13(2,-3.6) R14(2.8,-3.6) R15(3.6,-3.6) R16(4.4,-3.6) R17(5.2,-3.6) R18(6,-3.6) R19(6.8,-3.6) R20(7.6,-3.6) T1(-7.6,-4.4) T2(-6.8,-4.4) T3(-6,-4.4) T4(-5.2,-4.4) T5(-4.4,-4.4) T6(-3.6,-4.4) T7(-2.8,-4.4) T8(-2,-4.4) T9(-1.2,-4.4) T10(-0.4,-4.4) T11(0.4,-4.4) T12(1.2,-4.4) T13(2,-4.4) T14(2.8,-4.4) T15(3.6,-4.4) T16(4.4,-4.4) T17(5.2,-4.4) T18(6,-4.4) T19(6.8,-4.4) T20(7.6,-4.4) U1(-7.6,-5.2) U2(-6.8,-5.2) U3(-6,-5.2) U4(-5.2,-5.2) U5(-4.4,-5.2) U6(-3.6,-5.2) U7(-2.8,-5.2) U8(-2,-5.2) U9(-1.2,-5.2) U10(-0.4,-5.2) U11(0.4,-5.2) U12(1.2,-5.2) U13(2,-5.2) U14(2.8,-5.2) U15(3.6,-5.2) U16(4.4,-5.2) U17(5.2,-5.2) U18(6,-5.2) U19(6.8,-5.2) U20(7.6,-5.2) V1(-7.6,-6) V2(-6.8,-6) V3(-6,-6) V4(-5.2,-6) V5(-4.4,-6) V6(-3.6,-6) V7(-2.8,-6) V8(-2,-6) V9(-1.2,-6) V10(-0.4,-6) V11(0.4,-6) V12(1.2,-6) V13(2,-6) V14(2.8,-6) V15(3.6,-6) V16(4.4,-6) V17(5.2,-6) V18(6,-6) V19(6.8,-6) V20(7.6,-6) W1(-7.6,-6.8) W2(-6.8,-6.8) W3(-6,-6.8) W4(-5.2,-6.8) W5(-4.4,-6.8) W6(-3.6,-6.8) W7(-2.8,-6.8) W8(-2,-6.8) W9(-1.2,-6.8) W10(-0.4,-6.8) W11(0.4,-6.8) W12(1.2,-6.8) W13(2,-6.8) W14(2.8,-6.8) W15(3.6,-6.8) W16(4.4,-6.8) W17(5.2,-6.8) W18(6,-6.8) W19(6.8,-6.8) W20(7.6,-6.8) Y1(-7.6,-7.6) Y2(-6.8,-7.6) Y3(-6,-7.6) Y4(-5.2,-7.6) Y5(-4.4,-7.6) Y6(-3.6,-7.6) Y7(-2.8,-7.6) Y8(-2,-7.6) Y9(-1.2,-7.6) Y10(-0.4,-7.6) Y11(0.4,-7.6) Y12(1.2,-7.6) Y13(2,-7.6) Y14(2.8,-7.6) Y15(3.6,-7.6) Y16(4.4,-7.6) Y17(5.2,-7.6) Y18(6,-7.6) Y19(6.8,-7.6) Y20(7.6,-7.6)
LT3508EUF
  rect 0.7x0.25 smd: 1(-1.9,1.25) 2(-1.9,0.75) 3(-1.9,0.25) 4(-1.9,-0.25) 5(-1.9,-0.75) 6(-1.9,-1.25) 13(1.9,-1.25) 14(1.9,-0.75) 15(1.9,-0.25) 16(1.9,0.25) 17(1.9,0.75) 18(1.9,1.25)
  rect 0.25x0.7 smd: 7(-1.25,-1.9) 8(-0.75,-1.9) 9(-0.25,-1.9) 10(0.25,-1.9) 11(0.75,-1.9) 12(1.25,-1.9) 19(1.25,1.9) 20(0.75,1.9) 21(0.25,1.9) 22(-0.25,1.9) 23(-0.75,1.9) 24(-1.25,1.9)
  rect 2.45x2.45 smd: 25(0,0)
MMBT2222ALT-1
  rect 1x1.4 smd: 1(-0.95,-1.1) 2(0.95,-1.1) 3(0,1.1)
PJ_002A_3P
  oval 2x4.5 hole 1x3.5: 1(0,0)
  oval 2x4 hole 1x3: 2(6,0)
  oval 4x2 hole 3x1: 3(3,4.7)
PPPC062LJBN-RC
  rect 1.524x1.524 hole 1.016: 1(-6.35,-12.84)
  round 1.524 hole 1.016: 2(-3.81,-12.84) 3(-1.27,-12.84) 4(1.27,-12.84) 5(3.81,-12.84) 6(6.35,-12.84) 7(-6.35,-10.3) 8(-3.81,-10.3) 9(-1.27,-10.3) 10(1.27,-10.3) 11(3.81,-10.3) 12(6.35,-10.3)
PTD901_1015K_B103
  round 1.5 hole 1.016: 1(0,-2.5) 2(0,0) 3(0,2.5)
R0201
  rect 0.35x0.48 smd: 1(-0.275,0) 2(0.275,0)
R0402
  rect 0.65x0.65 smd: 1(-0.45,0) 2(0.45,0)
R0603
  rect 0.95x1 smd: 1(-0.8,0) 2(0.8,0)
R0805
  rect 1.3x1.5 smd: 1(-0.95,0) 2(0.95,0)
RLP-100
  rect 0.65x0.65 smd: 1(0,0.45) 2(0,-0.45)
RLP-101
  rect 1x0.95 smd: 1(0,0.8) 2(0,-0.8)
RLP-103
  rect 1.16x1.82 smd: 1(-1.475,0) 2(1.475,0)
RLP-130-A
  rect 0.65x0.65 smd: 1(0,0.45) 2(0,-0.45)
RLP-132
  rect 1x0.95 smd: 1(0,0.8) 2(0,-0.8)
RLP-133
  rect 1.5x1.3 smd: 1(0,0.95) 2(0,-0.95)
RLP-134
  rect 1.8x1.6 smd: 1(0,1.399) 2(0,-1.399)
SO8_50_244
  rect 1.55x0.6 smd: 1(-2.7,1.905) 2(-2.7,0.635) 3(-2.7,-0.635) 4(-2.7,-1.905) 5(2.7,-1.905) 6(2.7,-0.635) 7(2.7,0.635) 8(2.7,1.905)
SO8_MX25L12833FM2I10G
  rect 1.6x1 smd: 1(-3.4,1.905) 2(-3.4,0.635) 3(-3.4,-0.635) 4(-3.4,-1.905) 5(3.4,-1.905) 6(3.4,-0.635) 7(3.4,0.635) 8(3.4,1.905)
SOT23-6_MAX6070
  rect 1.33x0.56 smd: 1(-1.2,0.95) 2(-1.2,0) 3(-1.2,-0.95) 4(1.2,-0.95) 5(1.2,0) 6(1.2,0.95)
SPD62R
  rect 1.8x2.3 smd: 1(0,3.15) 2(0,-3.15)
SPM6530T-2R2M
  rect 1.85x3.4 smd: 1(-2.775,0) 2(2.775,0)
TP
  round 1.6 hole 1.016: 1(0,0)
TP50
  round 1.524 hole 1.016: 1(0,0)
TP_S_40_63
  rect 1.6x1.6 hole 1.016: 1(0,0)
TQFP64_0P5_12P2X12P2_H1P6
  rect 1.108x0.321 smd: 1(-5.8,3.75) 2(-5.8,3.25) 3(-5.8,2.75) 4(-5.8,2.25) 5(-5.8,1.75) 6(-5.8,1.25) 7(-5.8,0.75) 8(-5.8,0.25) 9(-5.8,-0.25) 10(-5.8,-0.75) 11(-5.8,-1.25) 12(-5.8,-1.75) 13(-5.8,-2.25) 14(-5.8,-2.75) 15(-5.8,-3.25) 16(-5.8,-3.75) 33(5.8,-3.75) 34(5.8,-3.25) 35(5.8,-2.75) 36(5.8,-2.25) 37(5.8,-1.75) 38(5.8,-1.25) 39(5.8,-0.75) 40(5.8,-0.25) 41(5.8,0.25) 42(5.8,0.75) 43(5.8,1.25) 44(5.8,1.75) 45(5.8,2.25) 46(5.8,2.75) 47(5.8,3.25) 48(5.8,3.75)
  rect 0.321x1.108 smd: 17(-3.75,-5.8) 18(-3.25,-5.8) 19(-2.75,-5.8) 20(-2.25,-5.8) 21(-1.75,-5.8) 22(-1.25,-5.8) 23(-0.75,-5.8) 24(-0.25,-5.8) 25(0.25,-5.8) 26(0.75,-5.8) 27(1.25,-5.8) 28(1.75,-5.8) 29(2.25,-5.8) 30(2.75,-5.8) 31(3.25,-5.8) 32(3.75,-5.8) 49(3.75,5.8) 50(3.25,5.8) 51(2.75,5.8) 52(2.25,5.8) 53(1.75,5.8) 54(1.25,5.8) 55(0.75,5.8) 56(0.25,5.8) 57(-0.25,5.8) 58(-0.75,5.8) 59(-1.25,5.8) 60(-1.75,5.8) 61(-2.25,5.8) 62(-2.75,5.8) 63(-3.25,5.8) 64(-3.75,5.8)
